# Altium PCB RTM_SFP_no-teardrops.PcbDoc (part 5 of 7)
Units mil, origin at the board's own origin, x right, y up, seen from the top; angles counter-clockwise.
Board outline 7185 x 5846.5 mil, 4 copper layers (Top Layer, MidPlane_1, MidPlane_2, Bottom Layer), stack 63.553 mil thick; 389 components, 333 nets, 1578 pads, 1486 vias.
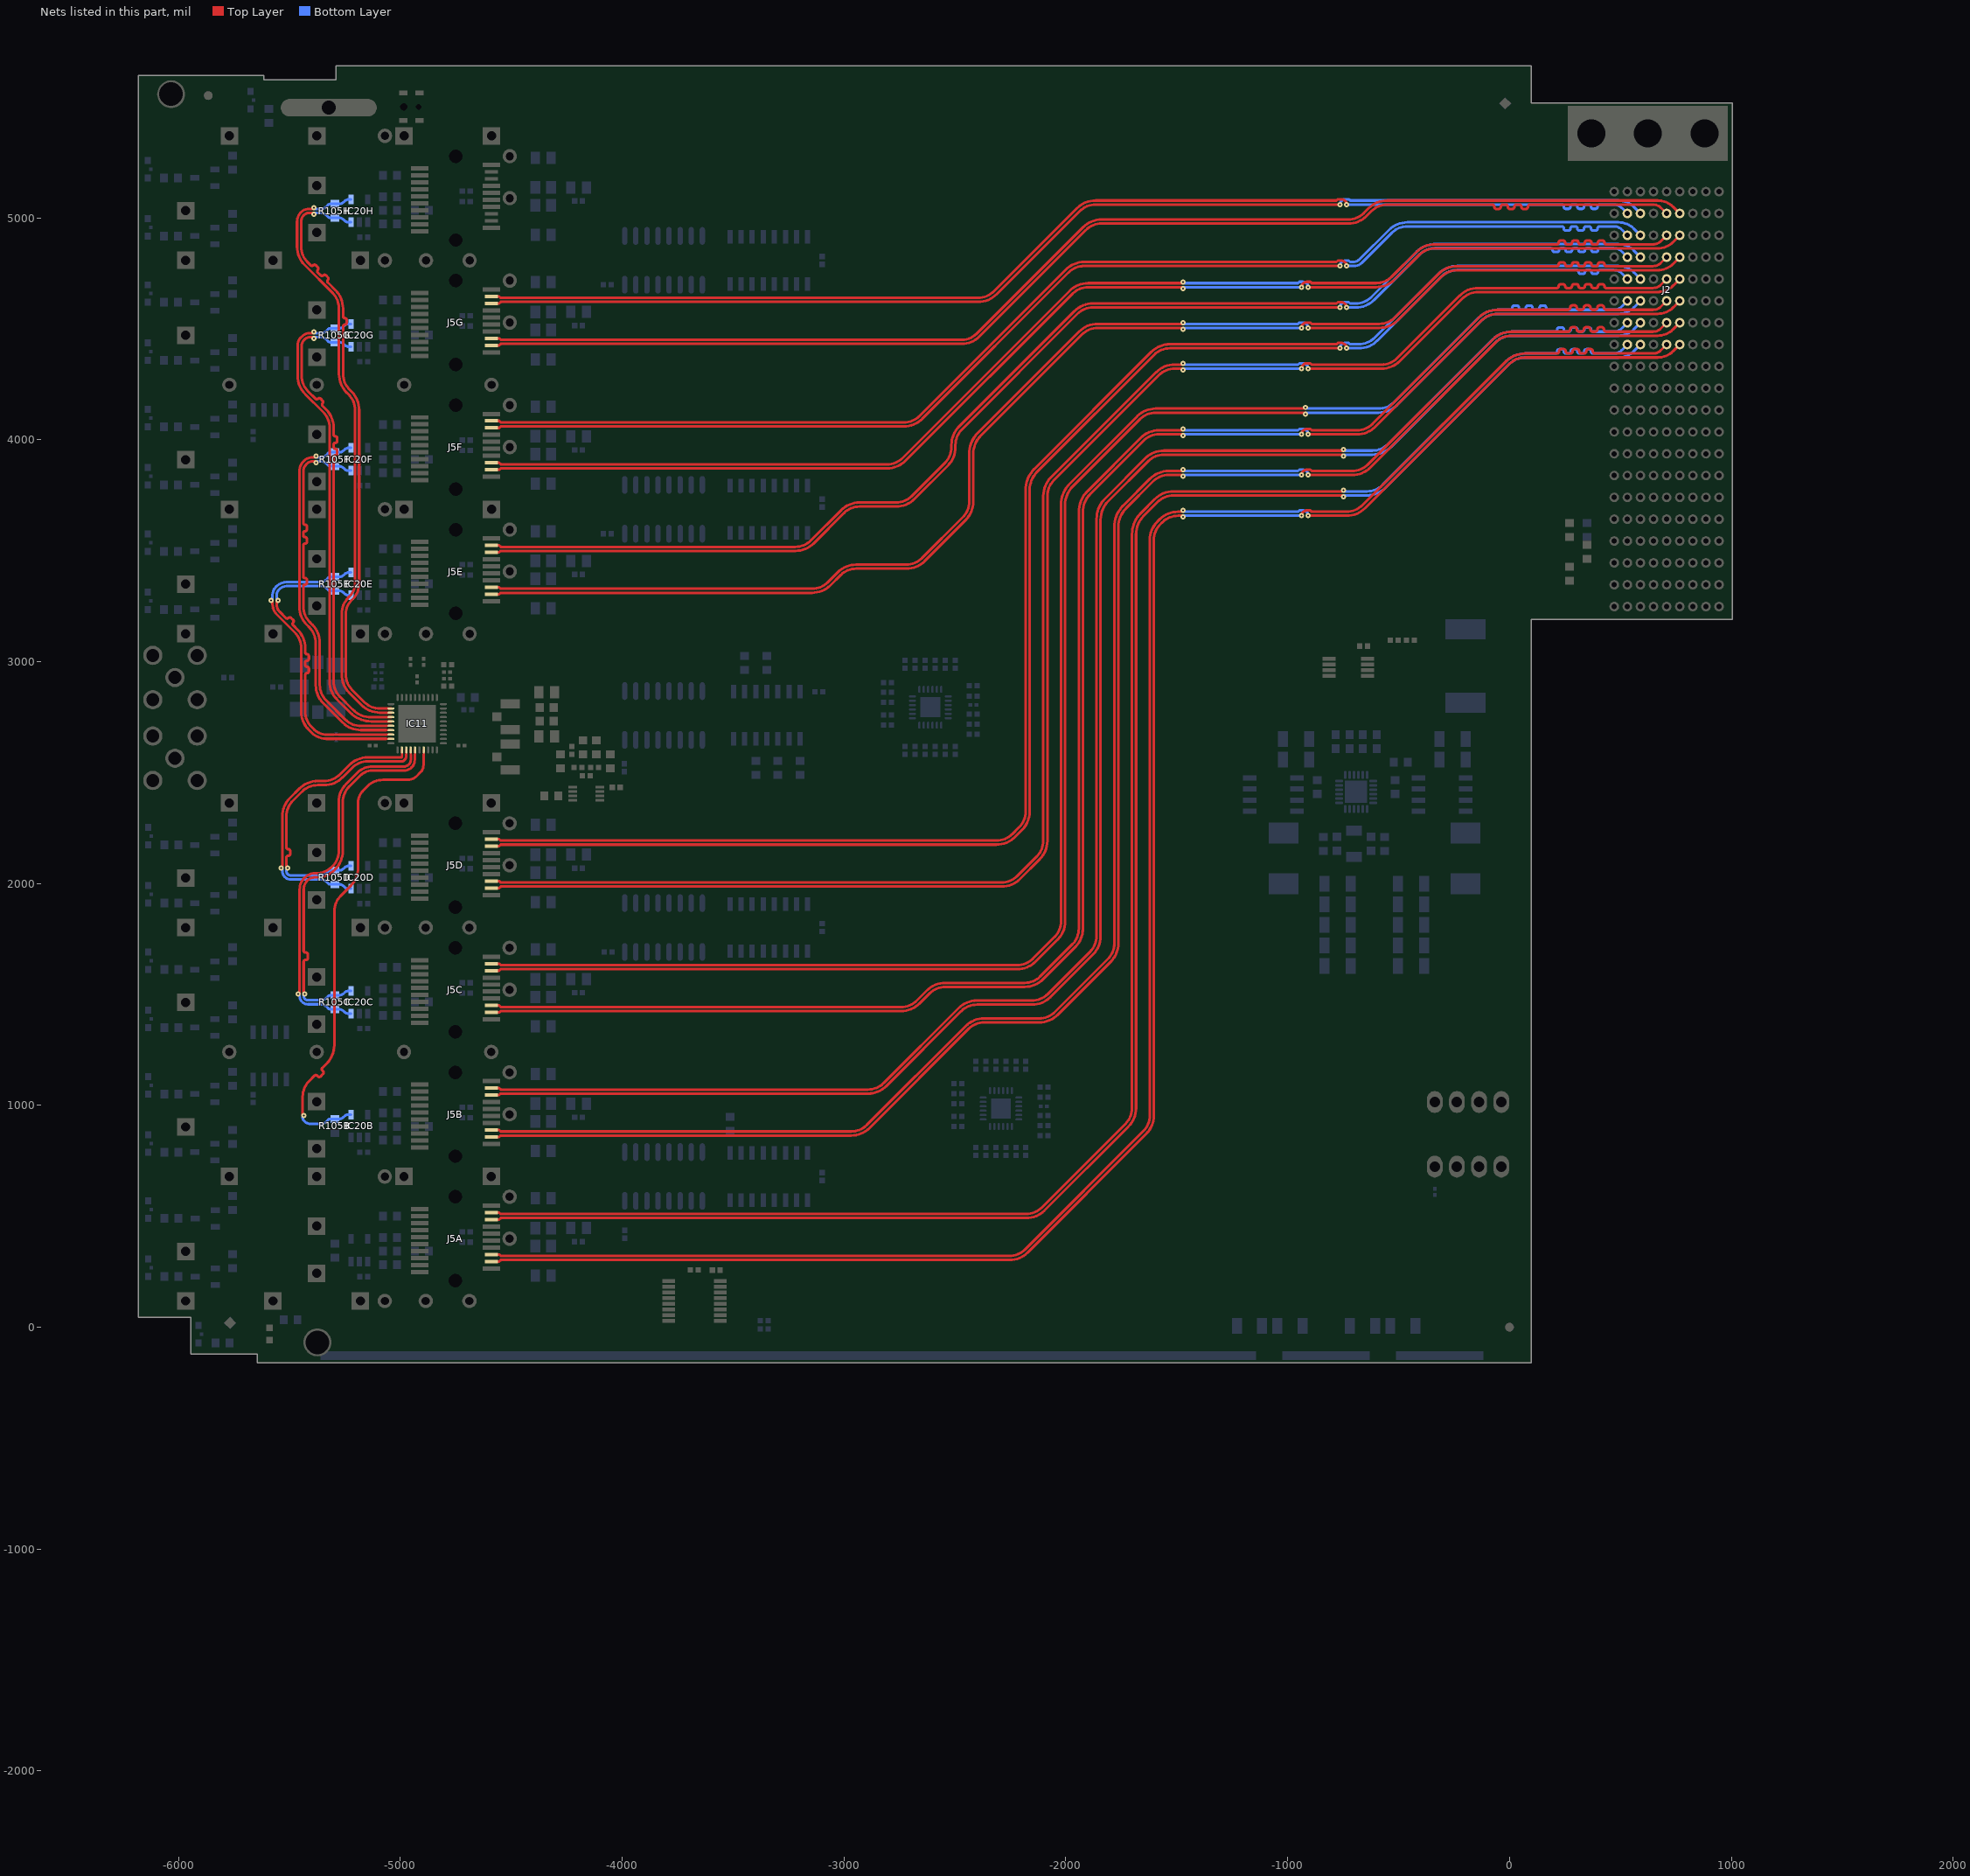
[diagram p7: the nets of this part, all layers, seen from the top]

## Via types
v1: diameter 23.62, hole 7.87, Top Layer to Bottom Layer, tented both sides, 1401 vias
v2: diameter 27.56, hole 11.81, Top Layer to Bottom Layer, tented both sides, 59 vias
v3: diameter 25.98, hole 12.99, Top Layer to Bottom Layer, tented top, 24 vias
v4: diameter 23.62, hole 11.81, Top Layer to Bottom Layer, tented both sides, 2 vias

## Nets (pads, with @x,y where several pads share a name; then routed paths per layer and width w, separated by ;. In a path a pad name is that pad's centre, name@x,y a point inside that pad or via, vN(x,y) a via of type N, cw(c..) or ccw(c..) an arc to the next point about the centre after c; other vN are vias at no path point) (continued)
SFP2RX_N: J2.D9 J5G.12 | length 5625.5
  Top Layer w12: J5G.12@-4589.58,4425.45 -4553.96,4425.45 -4547.21,4432.2 -2468.45,4432.2 ccw(c-2468.45,4543.09) -2390.04,4464.68 -1909.59,4945.12 cw(c-1838.88,4874.41) -1838.88,4974.41 -726.43,4974.41 ccw(c-726.43,5090.5) -644.34,5008.41 -621.81,5030.95 cw(c-551.1,4960.24) -551.1,5060.24 -78.74,5060.24 cw(c-78.74,5050.2) -68.7,5050.2 ccw(c-58.86,5050.2) -58.86,5040.35 -48.82,5040.35 ccw(c-48.82,5050.2) -38.98,5050.2 cw(c-28.94,5050.2) -29.13,5060.23 -17.52,5060.24 cw(c-17.52,5050.2) -7.48,5050.2 ccw(c2.36,5050.2) 2.36,5040.35 12.4,5040.35 ccw(c12.4,5050.2) 22.24,5050.2 cw(c32.28,5050.2) 32.09,5060.23 43.7,5060.24 cw(c43.7,5050.2) 53.74,5050.2 ccw(c63.58,5050.2) 63.58,5040.35 73.62,5040.35 ccw(c73.62,5050.2) 83.46,5050.2 cw(c93.5,5050.2) 93.31,5060.23 647.2,5060.23 cw(c647.2,5009.76) 682.89,5045.45 J2.D9@708.66,5019.69
SFP2RX_P: J2.C9 J5G.13 | length 5621.7
  Top Layer w12: J5G.13@-4589.58,4456.95 -4553.96,4456.95 -4547.21,4450.2 -2468.46,4450.2 ccw(c-2468.46,4543.12) -2402.76,4477.41 -1922.09,4958.08 cw(c-1839.22,4875.22) -1839.22,4992.41 -727.36,4992.41 ccw(c-727.36,5092.41) -656.65,5021.7 -634.79,5043.56 cw(c-551.07,4959.83) -551.07,5078.24 667.74,5078.24 cw(c667.74,4978.24) 738.45,5048.95 J2.C9@767.72,5019.69
SFP2TX_N: J2.F9 J5G.19 | length 5393.8
  Top Layer w12: J5G.19@-4589.58,4645.92 -4553.96,4645.92 -4547.21,4639.17 -2395.55,4639.17 ccw(c-2395.55,4739.17) -2324.84,4668.46 -1949.45,5043.86 cw(c-1866.46,4960.87) -1866.46,5078.24 -779.68,5078.24 -773.87,5084.05 -757.9,5084.05 cw(c-757.9,5060.24) v1(-734.09,5060.24)
  Bottom Layer w12: v1(-734.09,5060.24) 235.04,5060.24 cw(c235.04,5050.2) 245.08,5050.2 ccw(c254.53,5050.2) 254.53,5040.75 265.35,5040.75 ccw(c265.35,5050.2) 274.8,5050.2 cw(c284.84,5050.2) 284.65,5060.24 296.26,5060.24 cw(c296.26,5050.2) 306.3,5050.2 ccw(c315.75,5050.2) 315.75,5040.75 326.57,5040.75 ccw(c326.57,5050.2) 336.02,5050.2 cw(c346.06,5050.2) 346.06,5060.24 357.48,5060.24 cw(c357.48,5050.2) 367.52,5050.2 ccw(c376.97,5050.2) 376.97,5040.75 387.8,5040.75 ccw(c387.8,5050.2) 397.24,5050.2 cw(c407.28,5050.2) 407.09,5060.24 470.04,5060.24 cw(c470.04,5009.76) 505.73,5045.45 J2.F9@531.5,5019.69
SFP2TX_P: J2.E9 J5G.18 | length 5391.4
  Top Layer w12: J5G.18@-4589.58,4614.43 -4553.96,4614.43 -4547.21,4621.17 -2395.42,4621.17 ccw(c-2395.42,4738.85) -2312.21,4655.64 -1936.9,5030.95 cw(c-1866.19,4960.24) -1866.19,5060.24 v1(-764.01,5060.24)
  Bottom Layer w12: v1(-764.01,5060.24) cw(c-740.2,5060.24) -740.2,5084.05 -724.22,5084.05 -718.41,5078.24 490.58,5078.24 cw(c490.58,4978.24) 561.29,5048.95 J2.E9@590.55,5019.69
SFP3RX_N: J2.D8 J5F.12 | length 5798.2
  Top Layer w12: J5F.12@-4589.58,3864.43 -4553.96,3864.43 -4547.21,3871.17 -2805.51,3871.17 ccw(c-2805.51,3987.88) -2722.98,3905.35 ; -2722.98,3905.36 -1969.83,4658.51 cw(c-1899.12,4587.8) -1899.12,4687.8 -1477.07,4687.8 v1(-1471.26,4681.98) ; v1(-937.33,4687.8) cw(c-913.52,4687.8) -913.52,4711.61 -897.54,4711.61 -891.73,4705.8 -601.24,4705.8 ccw(c-601.24,4805.8) -530.53,4735.08 -419.04,4846.57 cw(c-336.62,4764.15) -336.62,4880.71 213.59,4880.71 ccw(c213.58,4888.78) 221.65,4888.78 cw(c230.12,4888.78) 230.12,4897.25 242.52,4897.25 cw(c242.52,4888.78) 250.98,4888.78 ccw(c259.06,4888.78) 259.06,4880.71 273.62,4880.72 ccw(c273.62,4888.79) 281.69,4888.79 cw(c290.16,4888.79) 290.16,4897.25 302.56,4897.25 cw(c302.56,4888.79) 311.02,4888.79 ccw(c319.09,4888.79) 319.09,4880.72 332.09,4880.71 ccw(c332.09,4888.79) 340.16,4888.79 cw(c348.62,4888.79) 348.62,4897.25 361.02,4897.25 cw(c361.02,4888.79) 369.49,4888.79 ccw(c377.56,4888.79) 377.56,4880.71 390.55,4880.71 ccw(c390.55,4888.78) 398.62,4888.78 cw(c407.09,4888.78) 407.09,4897.25 419.49,4897.25 cw(c419.49,4888.78) 427.95,4888.78 ccw(c436.02,4888.78) 436.02,4880.71 647.2,4880.71 ccw(c647.2,4931.18) 682.89,4895.49 J2.D8@708.66,4921.26
  Bottom Layer w12: v1(-1471.26,4681.98) -1465.45,4687.8 v1@-943.14,4687.8
SFP3RX_P: J2.C8 J5F.13 | length 5792.8
  Top Layer w12: J5F.13@-4589.58,3895.92 -4553.96,3895.92 -4547.21,3889.17 -2806.04,3889.17 ccw(c-2806.04,3989.17) -2735.33,3918.46 -1982.27,4671.52 cw(c-1899.52,4588.77) -1899.52,4705.8 -1477.07,4705.8 v1(-1471.26,4711.61) ; v1(-907.41,4687.8) -601.2,4687.8 ccw(c-601.2,4805.7) -517.83,4722.33 -406.74,4833.42 cw(c-336.03,4762.71) -336.03,4862.71 667.74,4862.71 ccw(c667.74,4962.71) 738.45,4892 J2.C8@767.72,4921.26
  Bottom Layer w12: v1(-1471.26,4711.61) -1465.45,4705.8 -953,4705.8 -947.19,4711.61 -931.22,4711.61 cw(c-931.22,4687.8) v1(-907.41,4687.8)
SFP3TX_N: J2.F8 J5F.19 | length 5580.2
  Top Layer w12: J5F.19@-4589.58,4084.9 -4553.96,4084.9 -4547.21,4078.15 -2730.2,4078.15 ccw(c-2730.2,4178.15) -2659.49,4107.44 -2000.05,4766.88 cw(c-1917.51,4684.35) -1917.51,4801.07 ; -1924.44,4801.07 -780.08,4801.07 -774.27,4806.88 -758.29,4806.88 cw(c-758.29,4783.07) v1(-734.48,4783.07)
  Bottom Layer w12: v1@-728.67,4783.07 -699.61,4783.07 ccw(c-699.61,4829.64) -666.7,4796.69 ; -666.67,4796.71 -530.86,4932.52 cw(c-460.15,4861.81) -460.15,4961.81 235.04,4961.81 cw(c235.04,4951.77) 245.08,4951.77 ccw(c254.53,4951.77) 254.53,4942.32 265.35,4942.32 ccw(c265.35,4951.77) 274.8,4951.77 cw(c284.84,4951.77) 284.65,4961.81 296.26,4961.81 cw(c296.26,4951.77) 306.3,4951.77 ccw(c315.75,4951.77) 315.75,4942.32 326.57,4942.32 ccw(c326.57,4951.77) 336.02,4951.77 cw(c346.06,4951.77) 346.06,4961.81 357.48,4961.81 cw(c357.48,4951.77) 367.52,4951.77 ccw(c376.97,4951.77) 376.97,4942.32 387.8,4942.32 ccw(c387.8,4951.77) 397.24,4951.77 cw(c407.28,4951.77) 407.09,4961.81 470.04,4961.81 cw(c470.04,4911.34) 505.73,4947.03 J2.F8@531.5,4921.26
SFP3TX_P: J2.E8 J5F.18 | length 5576.2
  Top Layer w12: J5F.18@-4589.58,4053.4 -4553.96,4053.4 -4547.21,4060.15 -2730.21,4060.15 ccw(c-2730.21,4178.17) -2646.76,4094.71 -1987.69,4753.78 cw(c-1916.98,4683.07) -1916.98,4783.07 v1(-764.4,4783.07)
  Bottom Layer w12: v1(-764.4,4783.07) cw(c-740.59,4783.07) -740.59,4806.88 -724.62,4806.88 -718.81,4801.07 -704.72,4801.07 ccw(c-704.72,4842) -675.81,4813.04 ; -675.78,4813.06 -543.57,4945.27 cw(c-460.18,4861.88) -460.18,4979.81 490.58,4979.81 cw(c490.58,4879.81) 561.29,4950.52 J2.E8@590.55,4921.26
SFP4RX_N: J2.D7 J5E.12 | length 6151.9
  Top Layer w12: J5E.12@-4589.58,3303.4 -4553.96,3303.4 -4547.21,3310.15 -3143.92,3310.15 ccw(c-3143.92,3428.01) -3060.58,3344.67 -3015.64,3389.61 cw(c-2944.93,3318.9) -2944.93,3418.9 -2718.15,3418.9 ccw(c-2718.15,3533.68) -2636.99,3452.52 -2451.99,3637.51 ccw(c-2534.74,3720.26) -2417.72,3720.26 -2417.72,3935.47 cw(c-2299.72,3935.47) -2383.16,4018.9 ; -2383.16,4018.91 -1927.12,4474.95 cw(c-1856.4,4404.24) -1856.4,4504.24 -1477.54,4504.24 v1(-1471.73,4498.43) ; v1(-937.8,4504.24) cw(c-913.98,4504.24) -913.98,4528.05 -898.01,4528.05 -892.2,4522.24 -586.77,4522.24 ccw(c-586.77,4622.24) -516.06,4551.53 -320.01,4747.57 cw(c-236.21,4663.78) -236.21,4782.28 213.59,4782.28 ccw(c213.58,4790.36) 221.65,4790.36 cw(c230.12,4790.36) 230.12,4798.82 242.52,4798.82 cw(c242.52,4790.36) 250.98,4790.36 ccw(c259.06,4790.36) 259.06,4782.29 ; 260.63,4782.29 273.62,4782.29 ccw(c273.62,4790.36) 281.69,4790.36 cw(c290.16,4790.36) 290.16,4798.83 302.56,4798.83 cw(c302.56,4790.36) 311.02,4790.36 ccw(c319.09,4790.36) 319.09,4782.29 332.09,4782.29 ccw(c332.09,4790.36) 340.16,4790.36 cw(c348.62,4790.36) 348.62,4798.82 361.02,4798.82 cw(c361.02,4790.36) 369.49,4790.36 ccw(c377.56,4790.36) 377.56,4782.29 390.55,4782.29 ccw(c390.55,4790.36) 398.62,4790.36 cw(c407.09,4790.36) 407.09,4798.82 419.49,4798.82 cw(c419.49,4790.36) 427.95,4790.36 ccw(c436.02,4790.36) 436.02,4782.29 647.2,4782.28 ccw(c647.2,4832.76) 682.89,4797.07 J2.D7@708.66,4822.83
  Bottom Layer w12: v1(-1471.73,4498.43) -1465.92,4504.24 v1@-943.61,4504.24
SFP4RX_P: J2.C7 J5E.13 | length 6148.1
  Top Layer w12: J5E.13@-4589.58,3334.9 -4553.96,3334.9 -4547.21,3328.15 -3143.98,3328.15 ccw(c-3143.98,3428.15) -3073.27,3357.44 -3027.96,3402.75 cw(c-2945.52,3320.32) -2945.52,3436.9 -2719.48,3436.9 ccw(c-2719.48,3536.9) -2648.77,3466.19 -2465.01,3649.95 ccw(c-2535.72,3720.67) -2435.72,3720.67 -2435.72,3936.48 cw(c-2302.17,3936.48) -2396.6,4030.92 -1939.72,4487.8 cw(c-1856.57,4404.65) -1856.57,4522.24 -1477.54,4522.24 v1(-1471.73,4528.05) ; v1(-907.87,4504.24) -586.59,4504.24 ccw(c-586.59,4622.77) -502.78,4538.95 -306.74,4734.99 cw(c-236.03,4664.28) -236.03,4764.28 667.74,4764.28 ccw(c667.74,4864.28) 738.45,4793.57 J2.C7@767.72,4822.83
  Bottom Layer w12: v1(-1471.73,4528.05) -1465.92,4522.24 -953.47,4522.24 -947.66,4528.05 -931.68,4528.05 cw(c-931.68,4504.24) v1(-907.87,4504.24)
SFP4TX_N: J2.F7 J5E.19 | length 5813.9
  Top Layer w12: J5E.19@-4589.58,3523.87 -4553.96,3523.87 -4547.21,3517.13 -3219.44,3517.13 ccw(c-3219.44,3617.13) -3148.73,3546.42 -3012.38,3682.76 cw(c-2929.88,3600.26) -2929.88,3716.93 -2765.3,3716.93 ccw(c-2765.3,3816.93) -2694.59,3746.22 -2545.01,3895.8 ccw(c-2615.72,3966.52) -2515.72,3966.52 -2515.72,3976.13 cw(c-2397.88,3976.13) -2481.2,4059.45 -1960.98,4579.67 cw(c-1877.69,4496.39) -1877.69,4614.17 -779.94,4614.17 -774.24,4619.87 -758.27,4619.87 cw(c-758.27,4596.06) v1(-734.46,4596.06)
  Bottom Layer w12: v1@-728.65,4596.06 -692.93,4596.06 ccw(c-692.93,4713.97) -609.56,4630.6 -406.06,4834.1 cw(c-335.35,4763.39) -335.35,4863.39 186.22,4863.39 cw(c186.22,4855.32) 194.29,4855.32 ccw(c203.54,4855.32) 203.54,4846.06 214.37,4846.07 ccw(c214.37,4855.32) 223.62,4855.32 cw(c231.69,4855.32) 231.69,4863.39 244.69,4863.39 cw(c244.69,4855.32) 252.76,4855.32 ccw(c262.01,4855.32) 262.01,4846.07 272.83,4846.07 ccw(c272.83,4855.32) 282.09,4855.32 cw(c290.15,4855.32) 290.15,4863.39 303.15,4863.39 cw(c303.15,4855.32) 311.22,4855.32 ccw(c320.47,4855.32) 320.47,4846.07 331.3,4846.07 ccw(c331.3,4855.32) 340.55,4855.32 cw(c348.62,4855.32) 348.62,4863.39 361.61,4863.39 cw(c361.61,4855.32) 369.69,4855.32 ccw(c378.94,4855.32) 378.94,4846.06 389.76,4846.06 ccw(c389.76,4855.32) 399.02,4855.32 cw(c407.09,4855.32) 407.09,4863.39 470.04,4863.39 cw(c470.04,4812.91) 505.73,4848.6 J2.F7@531.5,4822.83
SFP4TX_P: J2.E7 J5E.18 | length 5812.4
  Top Layer w12: J5E.18@-4589.58,3492.38 -4553.96,3492.38 -4547.21,3499.13 -3218.88,3499.13 ccw(c-3218.88,3615.79) -3136.39,3533.3 -3000.05,3669.64 cw(c-2929.33,3598.93) -2929.33,3698.93 -2765.29,3698.93 ccw(c-2765.29,3816.89) -2681.88,3733.48 -2532.11,3883.24 ccw(c-2615.15,3966.28) -2497.72,3966.28 -2497.72,3976.06 cw(c-2397.72,3976.06) -2468.43,4046.77 -1948.32,4566.88 cw(c-1877.6,4496.17) -1877.6,4596.17 v1@-764.38,4596.17
  Bottom Layer w12: v1(-764.38,4596.06) cw(c-740.57,4596.06) -740.57,4619.87 -724.59,4619.87 -718.78,4614.06 -692.97,4614.06 ccw(c-692.97,4714.06) -622.26,4643.35 -418.65,4846.96 cw(c-335.54,4763.84) -335.54,4881.39 ; -342.81,4881.39 490.58,4881.39 cw(c490.58,4781.39) 561.29,4852.1 J2.E7@590.55,4822.83
SFP5RX_N: J2.D6 J5D.12 | length 7450.5
  Top Layer w12: J5D.12@-4590.14,1979.38 -4554.35,1979.38 -4547.61,1986.13 -2289.26,1986.13 ccw(c-2289.26,2102.21) -2207.17,2020.13 -2116.85,2110.45 ccw(c-2197.38,2190.98) -2083.5,2190.98 -2083.5,3746.73 cw(c-1983.5,3746.73) -2054.21,3817.44 -1580.33,4291.31 cw(c-1509.62,4220.6) -1509.62,4320.6 -1477.07,4320.6 v1(-1471.26,4314.79) ; v1(-937.33,4320.6) cw(c-913.52,4320.6) -913.52,4344.41 -897.54,4344.41 -891.73,4338.6 -577.23,4338.6 ccw(c-577.23,4438.6) -506.52,4367.89 -225.1,4649.31 cw(c-141.69,4565.9) -141.69,4683.86 213.59,4683.86 ccw(c213.58,4691.93) 221.65,4691.93 cw(c230.12,4691.93) 230.12,4700.4 242.52,4700.4 cw(c242.52,4691.93) 250.98,4691.93 ccw(c259.06,4691.93) 259.06,4683.86 ; 260.63,4683.86 273.62,4683.87 ccw(c273.62,4691.94) 281.69,4691.94 cw(c290.16,4691.94) 290.16,4700.4 302.56,4700.4 cw(c302.56,4691.94) 311.02,4691.94 ccw(c319.09,4691.94) 319.09,4683.87 332.09,4683.86 ccw(c332.09,4691.94) 340.16,4691.94 cw(c348.62,4691.94) 348.62,4700.4 361.02,4700.4 cw(c361.02,4691.94) 369.49,4691.94 ccw(c377.56,4691.94) 377.56,4683.86 390.55,4683.86 ccw(c390.55,4691.93) 398.62,4691.93 cw(c407.09,4691.93) 407.09,4700.4 419.49,4700.4 cw(c419.49,4691.93) 427.95,4691.93 ccw(c436.02,4691.93) 436.02,4683.86 647.2,4683.86 ccw(c647.2,4734.33) 682.89,4698.64 J2.D6@708.66,4724.41
  Bottom Layer w12: v1(-1471.26,4314.79) -1465.45,4320.6 v1@-943.14,4320.6
SFP5RX_P: J2.C6 J5D.13 | length 7446.6
  Top Layer w12: J5D.13@-4590.14,2010.87 -4554.35,2010.87 -4547.61,2004.13 -2290.05,2004.13 ccw(c-2290.05,2104.13) -2219.34,2033.42 -2130.79,2121.97 ccw(c-2201.5,2192.68) -2101.5,2192.68 -2101.5,3747.22 cw(c-1984.69,3747.22) -2067.33,3829.77 ; -2067.29,3829.81 -1592.78,4304.32 cw(c-1510.02,4221.56) -1510.02,4338.6 -1477.07,4338.6 v1(-1471.26,4344.41) ; -2066.98,3830.12 cw(c-1983.5,3746.73) -2066.94,3830.16 ; v1(-907.41,4320.6) -576.66,4320.6 ccw(c-576.66,4437.21) -494.2,4354.75 -212.38,4636.57 cw(c-141.67,4565.86) -141.67,4665.86 667.74,4665.86 ccw(c667.74,4765.86) 738.45,4695.15 J2.C6@767.72,4724.41
  Bottom Layer w12: v1(-1471.26,4344.41) -1465.45,4338.6 -953,4338.6 -947.19,4344.41 -931.22,4344.41 cw(c-931.22,4320.6) v1(-907.41,4320.6)
SFP5TX_N: J2.F6 J5D.19 | length 7168.7
  Top Layer w12: J5D.19@-4590.14,2199.85 -4554.35,2199.85 -4547.61,2193.1 -2312.49,2193.1 ccw(c-2312.49,2293.1) -2241.78,2222.39 -2210.79,2253.39 ccw(c-2281.5,2324.1) -2181.5,2324.1 ; -2181.5,2354.33 -2181.5,2324.1 ; v1(-734.35,4412.31) ccw(c-758.16,4412.31) -758.16,4436.13 -774.13,4436.13 -779.94,4430.31 -1531.66,4430.31 ccw(c-1531.66,4313.79) -1614.05,4396.19 -2142.11,3868.12 ccw(c-2047.03,3773.04) -2181.5,3773.04 -2181.5,2324.1
  Bottom Layer w12: v1@-728.54,4412.31 -678.59,4412.31 ccw(c-678.59,4530.07) -595.32,4446.8 -306.45,4735.67 cw(c-235.74,4664.96) -235.74,4764.96 303.15,4764.96 cw(c303.15,4756.89) 311.22,4756.89 ccw(c320.47,4756.89) 320.47,4747.64 331.3,4747.64 ccw(c331.3,4756.89) 340.55,4756.89 cw(c348.62,4756.89) 348.62,4764.96 361.61,4764.96 cw(c361.61,4756.89) 369.68,4756.89 ccw(c378.94,4756.89) 378.94,4747.64 389.76,4747.64 ccw(c389.76,4756.89) 399.02,4756.89 cw(c407.09,4756.89) 407.09,4764.96 470.04,4764.96 cw(c470.04,4714.49) 505.73,4750.18 J2.F6@531.5,4724.41
SFP5TX_P: J2.E6 J5D.18 | length 7169
  Top Layer w12: J5D.18@-4590.14,2168.36 -4554.35,2168.36 -4547.61,2175.1 -2312.45,2175.1 ccw(c-2312.45,2293.01) -2229.08,2209.64 -2197.79,2240.93 ccw(c-2280.57,2323.72) -2163.5,2323.72 -2163.5,3772.41 cw(c-2045.5,3772.41) -2128.94,3855.84 -1601.75,4383.03 cw(c-1531.04,4312.31) -1531.04,4412.31 v1(-764.27,4412.31)
  Bottom Layer w12: v1(-764.27,4412.31) cw(c-740.46,4412.31) -740.46,4436.13 -724.48,4436.13 -718.67,4430.31 -678.69,4430.31 ccw(c-678.69,4530.31) -607.98,4459.6 -318.96,4748.62 cw(c-236.06,4665.73) -236.06,4782.96 490.58,4782.96 cw(c490.58,4682.96) 561.29,4753.67 J2.E6@590.55,4724.41
SFP6RX_N: J2.D5 J5C.12 | length 7819.5
  Top Layer w12: J5C.12@-4590.14,1418.35 -4554.35,1418.35 -4547.61,1425.1 -2741.77,1425.1 ccw(c-2741.77,1541.55) -2659.43,1459.21 -2613.91,1504.73 cw(c-2543.2,1434.02) -2543.2,1534.02 -2185.13,1534.02 ccw(c-2185.13,1650.25) -2102.94,1568.06 -1957.15,1713.85 ccw(c-2038.4,1795.1) -1923.5,1795.1 -1923.5,3673 cw(c-1805.5,3673) -1888.94,3756.43 -1650.25,3995.12 cw(c-1579.54,3924.41) -1579.54,4024.41 -1477.07,4024.41 v1(-1471.26,4018.6) ; v1(-937.33,4024.41) cw(c-913.52,4024.41) -913.52,4048.22 -897.54,4048.22 -891.73,4042.41 -687.85,4042.41 ccw(c-687.85,4142.41) -617.14,4071.7 -137.58,4551.26 cw(c-55.08,4468.76) -55.08,4585.43 263.98,4585.43 ccw(c263.78,4595.47) 273.82,4595.47 cw(c283.66,4595.47) 283.66,4605.32 293.7,4605.32 cw(c293.7,4595.47) 303.54,4595.47 ccw(c313.58,4595.47) 313.58,4585.43 325.2,4585.44 ccw(c325,4595.47) 335.04,4595.47 cw(c344.88,4595.47) 344.88,4605.32 354.92,4605.32 cw(c354.92,4595.47) 364.76,4595.47 ccw(c374.8,4595.47) 374.8,4585.43 386.42,4585.44 ccw(c386.22,4595.47) 396.26,4595.47 cw(c406.1,4595.47) 406.1,4605.32 416.14,4605.32 cw(c416.14,4595.47) 425.98,4595.47 ccw(c436.02,4595.47) 436.02,4585.43 647.2,4585.43 ccw(c647.2,4635.91) 682.89,4600.22 J2.D5@708.66,4625.98
  Bottom Layer w12: v1(-1471.26,4018.6) -1465.45,4024.41 v1@-943.14,4024.41
SFP6RX_P: J2.C5 J5C.13 | length 7821.6
  Top Layer w12: J5C.13@-4590.14,1449.85 -4554.35,1449.85 -4547.61,1443.1 -2742.41,1443.1 ccw(c-2742.41,1543.1) -2671.7,1472.39 -2626.53,1517.57 cw(c-2543.36,1434.41) -2543.36,1552.02 -2185.86,1552.02 ccw(c-2185.86,1652.02) -2115.15,1581.31 -1970.79,1725.67 ccw(c-2041.5,1796.38) -1941.5,1796.38 -1941.5,3674.64 cw(c-1809.47,3674.64) -1902.83,3768 -1662.51,4008.32 cw(c-1580.21,3926.02) -1580.21,4042.41 -1477.07,4042.41 v1(-1471.26,4048.22) ; v1(-907.41,4024.41) -687.07,4024.41 ccw(c-687.07,4140.51) -604.97,4058.41 -125.24,4538.14 cw(c-54.53,4467.43) -54.53,4567.43 667.74,4567.43 ccw(c667.74,4667.43) 738.45,4596.72 J2.C5@767.72,4625.98
  Bottom Layer w12: v1(-1471.26,4048.22) -1465.45,4042.41 -953,4042.41 -947.19,4048.22 -931.22,4048.22 cw(c-931.22,4024.41) v1(-907.41,4024.41)